# Altium PCB top_LM358.PcbDoc (part 3 of 6) (continued)
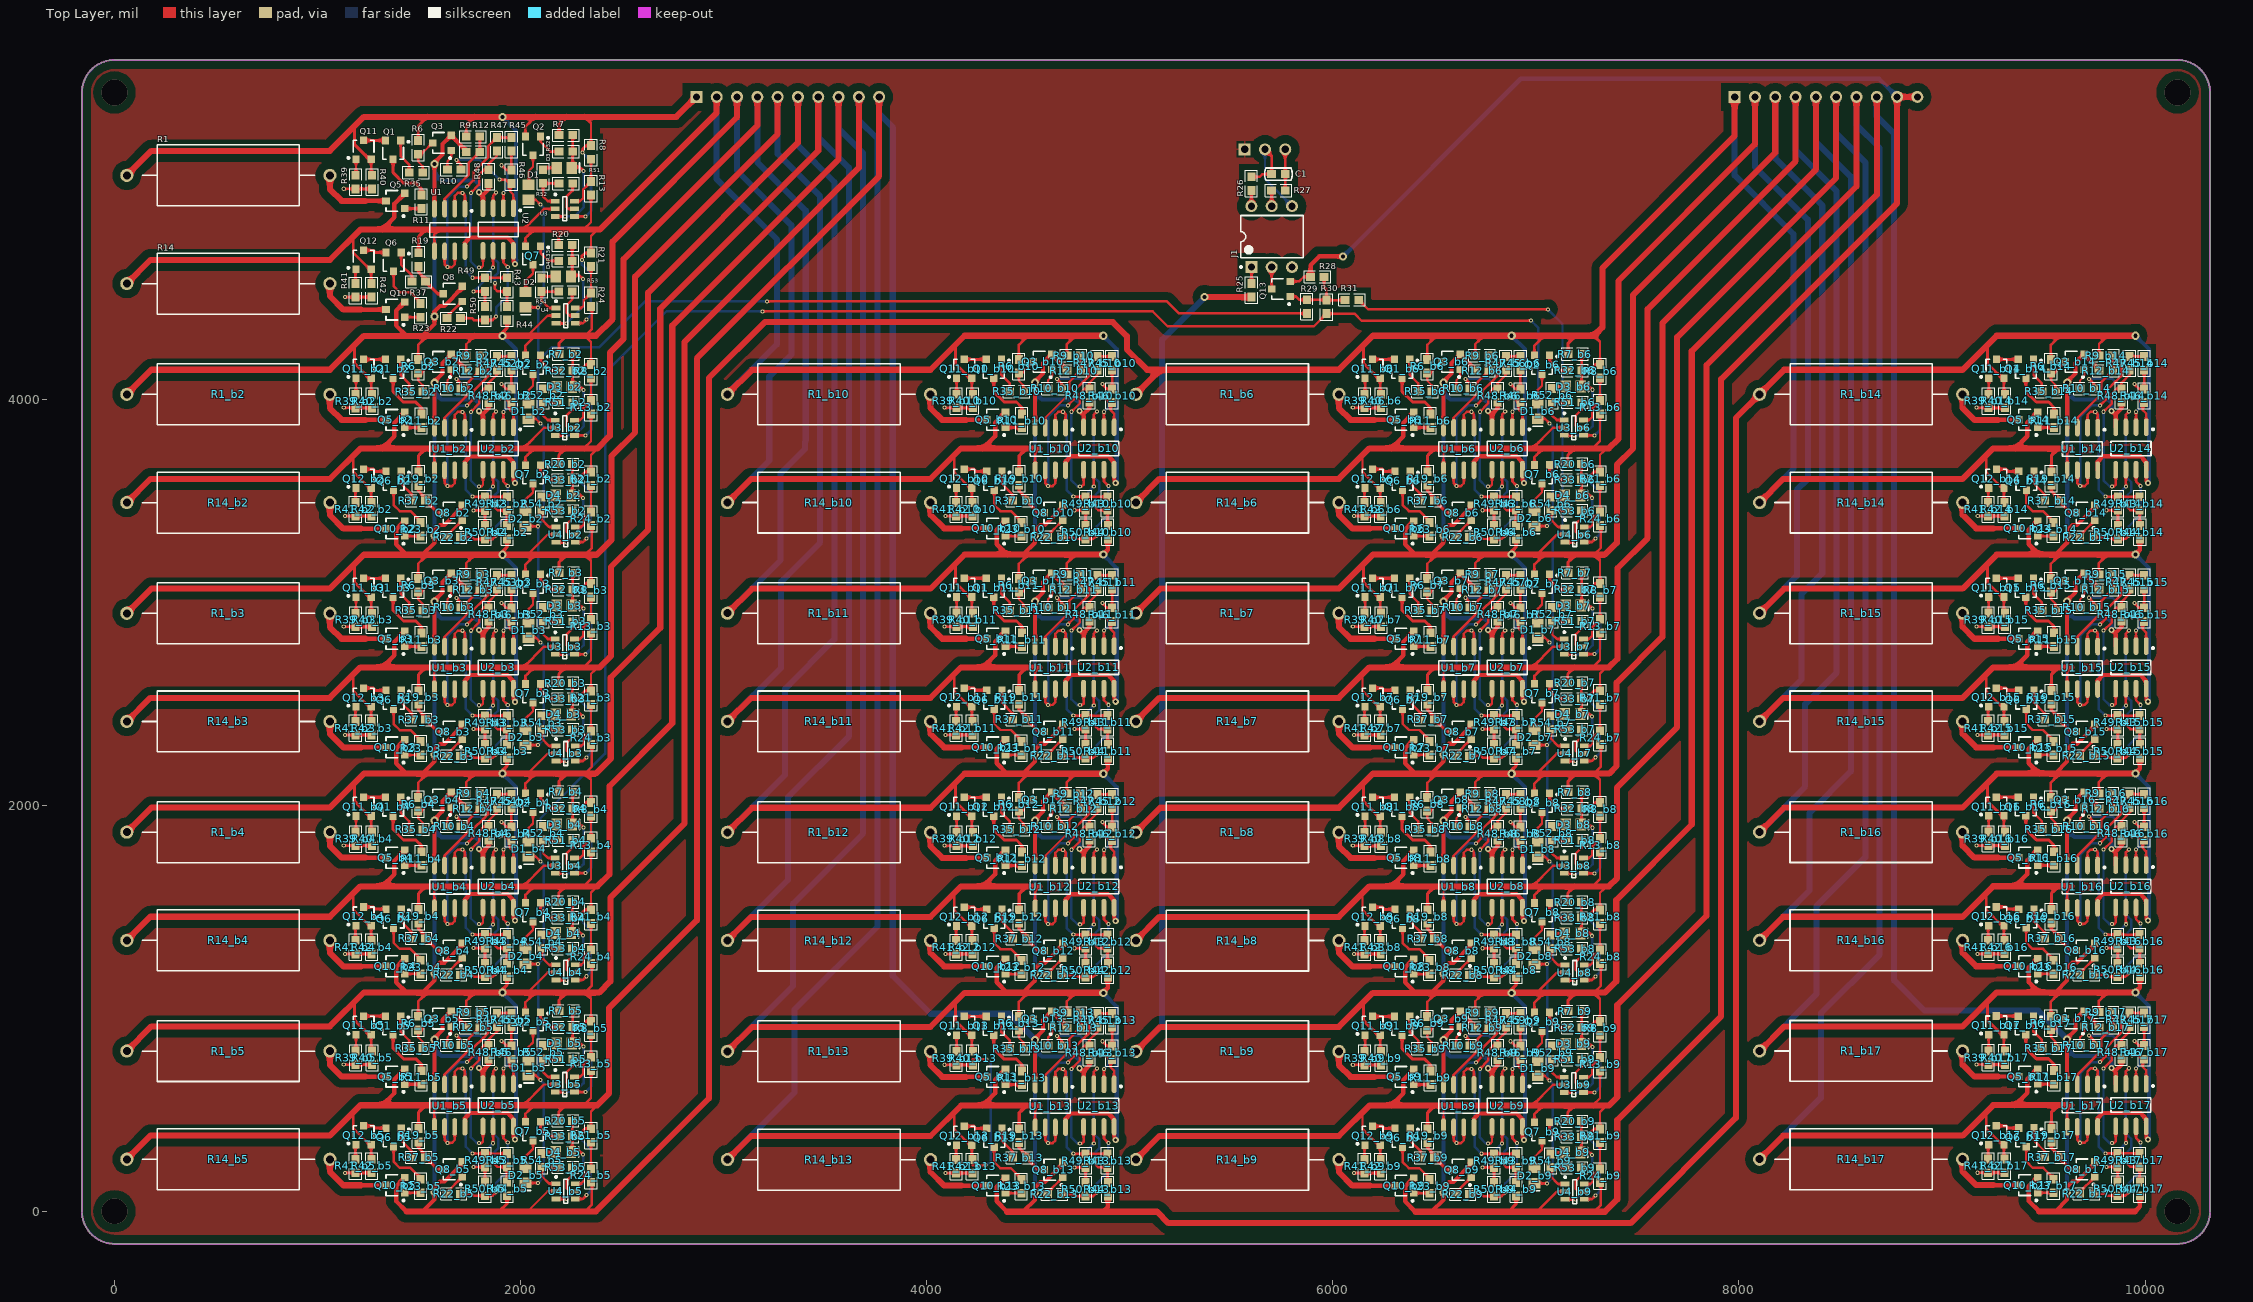
[diagram p0: Top Layer view]
## Nets (pads, with @x,y where several pads share a name; then routed paths per layer and width w, separated by ;. In a path a pad name is that pad's centre, name@x,y a point inside that pad or via, vN(x,y) a via of type N, cw(c..) or ccw(c..) an arc to the next point about the centre after c; other vN are vias at no path point) (continued)
  Bottom Layer w30: R14_b12.2@3018.82,1333.58 3316.82,1631.58 3316.82,2038.32 3616.4,2337.9 3616.4,5139.9 3465.82,5290.48 P1.7@3465.82,5488.32
IN_A4: P1.9 Q2_b5.2 Q3_b4.2 Q5_b13.2 Q8_b4.2 Q10_b4.2 Q11_b5.2 Q12_b13.2 R1_b5.2 R6_b5.2 R7_b5.2 R8_b5.2 R9_b5.2 R12_b4.1 R14_b13.2 R19_b13.2 R24_b4.1 R40_b5.1 R42_b13.1 R44_b4.2 R48_b4.2 U1_b4.4 U1_b5.8 U1_b13.5 U2_b4.4 U2_b5.8 U3_b5.4 U4_b4.2 | length 21433.1
  Top Layer w12: Q11_b5.2@1264.23,869 1264.23,794.32 R40_b5.1@1268.82,789.72 ; R6_b5.2@1495.69,960.46 1495.69,1032.79 1540.37,1077.46 1540.44,1077.54 ; R9_b5.2@1732.36,980.26 1732.36,1036.07 1773.75,1077.46 1773.82,1077.54 ; Q2_b5.2@2023.6,980.94 2023.6,1029.31 2071.75,1077.46 2071.82,1077.54 ; 2035.54,1078.21 2134,1176.68 U4_b4.2@2174.76,1176.68 ; U3_b5.4@2265.24,587.28 v1(2320.4,587.28) ; v1(2305,901.68) 2305,918.68 2322.32,936 R8_b5.2@2346.69,936 2346.69,1047.92 2317.15,1077.46 2317.08,1077.54 ; 2317.41,1077.87 2351,1111.46 2351,1216.76 R24_b4.1@2346.69,1221.07 ; 4134.82,485.36 4134.82,405.58 4214.08,326.32 Q12_b13.2@4222.23,326.32 4222.23,257.64 R42_b13.1@4224.82,255.05 ; U1_b13.5@4533.82,414.09 4533.82,498.86 4555.82,520.86
  Top Layer w15: 1182.82,1026.79 1182.82,940.82 Q11_b5.2@1254.64,869 ; v2@1898,1077.46 1898,1077.54 1898,1080.68 1933.82,1116.5 R44_b4.2@1933.82,1154.8 ; U2_b5.8@1964.82,418.05 1964.82,361.26 v3(1972.82,353.26) ; R7_b5.2@2189.54,987.68 2189.54,1041.07 2225.93,1077.46 2226,1077.54 ; R19_b13.2@4455.69,406.32 4455.69,485.86 4490.69,520.86 4494.69,520.86
  Top Layer w20: Q11_b5.2@1254.64,869 Q11_b5.2@1264.23,869 ; 1519.69,1080.07 1575.82,1136.2 v2(1575.82,1172.26) 1575.82,1197.26 1602.82,1224.26 1624.27,1224.26 1712.08,1312.08 Q8_b4.2@1712.08,1321.66 ; U1_b4.4@1575.82,1702.75 v2(1575.82,1924.26) 1575.82,1930.26 1615.82,1970.26 1615.82,2021.4 Q3_b4.2@1659.08,2064.66 1659.08,2061.91 1732.36,1988.64 R12_b4.1@1732.36,1983.26 ; U1_b5.8@1725.82,415.77 1725.82,458.26 1751.82,484.26 1935.82,484.26 1964.82,455.26 U2_b5.8@1964.82,418.05 ; v3(1794.82,1784.26) 1808.82,1770.26 1814.82,1770.26 ; U2_b4.4@1814.82,1705.02 1814.82,1770.26 ; R48_b4.2@1842.82,1827.8 1842.82,1798.26 1814.82,1770.26
  Top Layer w22: Q10_b4.2@1429.95,1243.94 1386.69,1200.68 1386.69,1128.54 1437.01,1078.21 ; 4276.69,520.86 4336.69,580.86 4336.69,648 Q5_b13.2@4387.95,699.26
  Top Layer w30: R1_b5.2@60.82,789.26 181.85,910.28 1060.82,910.28 1228.08,1077.54 1540.44,1077.54 1773.82,1077.54 1898,1077.54 v2(1911.69,1077.54) 2071.82,1077.54 2226,1077.54 2317.08,1077.54 ; 1437.76,1077.46 1540.37,1077.46 1773.75,1077.46 1898,1077.46 2071.75,1077.46 2225.93,1077.46 2317.15,1077.46 2386.5,1077.46 2441.82,1132.79 2441.82,1544.32 2808,1910.5 2808,4281.55 3665.82,5139.37 P1.9@3665.82,5488.32 ; R14_b13.2@3018.82,254.58 3135.1,370.86 4018.82,370.86 4168.82,520.86 4276.69,520.86 4490.69,520.86 ; 4494.69,520.86 4555.82,520.86
  Bottom Layer w15: 1977.82,915.86 1977.82,917.68 ; v1(2305,901.68) 2347,859.68 2347,613.88 v1(2320.4,587.28)
  Bottom Layer w20: v2(1575.82,1172.26) 1575.82,1877.26 ; v2(1575.82,1924.26) 1575.82,1877.26 ; v3(1794.82,1784.26) 1794.82,1823.26 1775.82,1842.26 1610.82,1842.26 1575.82,1877.26 ; v2(1911.69,1077.54) 1977.82,1011.4 1977.82,917.68 ; v3(1972.82,353.26) 1977.82,358.26 1977.82,915.86
  Bottom Layer w30: R14_b13.2@3018.82,254.58 3349.82,585.58 3349.82,994.32 3757.82,1402.32 3757.82,5281.32 3665.82,5373.32 P1.9@3665.82,5488.32
IN_A5: P2.1 Q2_b6.2 Q3_b5.2 Q5_b14.2 Q8_b5.2 Q10_b5.2 Q11_b6.2 Q12_b14.2 R1_b6.2 R6_b6.2 R7_b6.2 R8_b6.2 R9_b6.2 R12_b5.1 R14_b14.2 R19_b14.2 R24_b5.1 R40_b6.1 R42_b14.1 R44_b5.2 R48_b5.2 U1_b5.4 U1_b6.8 U1_b14.5 U2_b5.4 U2_b6.8 U3_b6.4 U4_b5.2 | length 21356.7
  Top Layer w12: 2035.54,0.21 2134,98.68 U4_b5.2@2174.76,98.68 ; 2317.41,-0.13 2351,33.46 2351,138.76 R24_b5.1@2346.69,143.07 ; Q11_b6.2@6233.48,4103.32 6233.48,4028.64 R40_b6.1@6238.08,4024.05 ; R6_b6.2@6464.94,4194.79 6464.94,4267.11 6509.69,4311.86 ; R9_b6.2@6701.61,4214.58 6701.61,4270.39 6743.08,4311.86 ; Q2_b6.2@6992.85,4215.26 6992.85,4263.63 7041.08,4311.86 ; U3_b6.4@7234.5,3821.6 v1(7289.65,3821.6) ; v1(7274.25,4136) 7274.25,4153 7291.57,4170.32 R8_b6.2@7315.94,4170.32 7315.94,4282.24 7286.33,4311.86 ; 9217.82,3721.36 9217.82,3641.58 9297.08,3562.32 Q12_b14.2@9305.23,3562.32 9305.23,3493.64 R42_b14.1@9307.82,3491.05 ; U1_b14.5@9616.82,3650.09 9616.82,3734.86 9638.82,3756.86
  Top Layer w15: 1898,-0.54 1898,2.68 1933.82,38.5 R44_b5.2@1933.82,76.8 ; 6152.08,4261.11 6152.08,4175.14 Q11_b6.2@6223.89,4103.32 ; U2_b6.8@6934.08,3652.37 6934.08,3595.58 v3(6942.08,3587.58) ; R7_b6.2@7158.79,4222 7158.79,4275.39 7195.25,4311.86 ; R19_b14.2@9538.69,3642.32 9538.69,3721.86 9573.69,3756.86 9577.69,3756.86
  Top Layer w20: 1519.69,2.07 1575.82,58.2 v2(1575.82,94.26) 1575.82,119.26 1602.82,146.26 1624.27,146.26 1712.08,234.08 Q8_b5.2@1712.08,243.66 ; U1_b5.4@1575.82,624.75 v2(1575.82,846.26) 1575.82,852.26 1615.82,892.26 1615.82,943.4 Q3_b5.2@1659.08,986.66 1659.08,983.91 1732.36,910.64 R12_b5.1@1732.36,905.26 ; v3(1794.82,706.26) 1808.82,692.26 1814.82,692.26 ; U2_b5.4@1814.82,627.02 1814.82,692.26 ; R48_b5.2@1842.82,749.8 1842.82,720.26 1814.82,692.26 ; Q11_b6.2@6223.89,4103.32 Q11_b6.2@6233.48,4103.32 ; U1_b6.8@6695.08,3650.09 6695.08,3692.58 6721.08,3718.58 6905.08,3718.58 6934.08,3689.58 U2_b6.8@6934.08,3652.37
  Top Layer w22: Q10_b5.2@1429.95,165.94 1386.69,122.68 1386.69,50.54 1437.01,0.21 ; 9359.69,3756.86 9419.69,3816.86 9419.69,3884 Q5_b14.2@9470.95,3935.26
  Top Layer w30: 1437.76,-0.54 1898,-0.54 2370.82,-0.54 2928,556.64 2928,4104 3203,4379 4916.7,4379 4985.85,4309.85 4985.85,4244.15 5085.4,4144.61 5151.1,4144.61 ; R1_b6.2@5030.08,4023.58 5151.1,4144.61 ; P2.1@7979,5488 7979,5296 7328,4645 7328,4353.53 7286.33,4311.86 7195.25,4311.86 7041.08,4311.86 v2(6880.94,4311.86) 6743.08,4311.86 6509.69,4311.86 6197.33,4311.86 6030.08,4144.61 5151.1,4144.61 ; R14_b14.2@8101.82,3490.58 8218.1,3606.86 9101.82,3606.86 9251.82,3756.86 9359.69,3756.86 9573.69,3756.86 ; 9577.69,3756.86 9638.82,3756.86
  Bottom Layer w15: 6947.08,4150.18 6947.08,4152 ; v1(7274.25,4136) 7316.25,4094 7316.25,3848.2 v1(7289.65,3821.6)
  Bottom Layer w20: v2(1575.82,94.26) 1575.82,799.26 ; v2(1575.82,846.26) 1575.82,799.26 ; v3(1794.82,706.26) 1794.82,745.26 1775.82,764.26 1610.82,764.26 1575.82,799.26 ; v2(6880.94,4311.86) 6947.08,4245.72 6947.08,4152 ; v3(6942.08,3587.58) 6947.08,3592.58 6947.08,4150.18
  Bottom Layer w30: P2.1@7978.82,5488.32 7978.82,5102.37 8268.85,4812.35 8268.85,3657.61 R14_b14.2@8101.82,3490.58
IN_A6: P2.3 Q2_b7.2 Q3_b6.2 Q5_b15.2 Q8_b6.2 Q10_b6.2 Q11_b7.2 Q12_b15.2 R1_b7.2 R6_b7.2 R7_b7.2 R8_b7.2 R9_b7.2 R12_b6.1 R14_b15.2 R19_b15.2 R24_b6.1 R40_b7.1 R42_b15.1 R44_b6.2 R48_b6.2 U1_b6.4 U1_b7.8 U1_b15.5 U2_b6.4 U2_b7.8 U3_b7.4 U4_b6.2 | length 16800.1
  Top Layer w12: Q11_b7.2@6233.48,3025.32 6233.48,2950.64 R40_b7.1@6238.08,2946.05 ; R6_b7.2@6464.94,3116.79 6464.94,3189.11 6509.62,3233.79 6509.69,3233.86 ; R9_b7.2@6701.61,3136.58 6701.61,3192.39 6743,3233.79 6743.08,3233.86 ; Q2_b7.2@6992.85,3137.26 6992.85,3185.63 7041,3233.79 7041.08,3233.86 ; 7004.79,3234.54 7103.25,3333 U4_b6.2@7144.01,3333 ; U3_b7.4@7234.5,2743.6 v1(7289.65,2743.6) ; v1(7274.25,3058) 7274.25,3075 7291.57,3092.32 R8_b7.2@7315.94,3092.32 7315.94,3204.24 7286.4,3233.79 7286.33,3233.86 ; 7286.67,3234.2 7320.25,3267.78 7320.25,3373.08 R24_b6.1@7315.94,3377.39 ; 9217.57,2643.36 9217.57,2563.58 9296.83,2484.32 Q12_b15.2@9304.97,2484.32 9304.97,2415.64 R42_b15.1@9307.57,2413.05 ; U1_b15.5@9616.57,2572.09 9616.57,2656.86 9638.57,2678.86
  Top Layer w15: 6152.08,3183.11 6152.08,3097.14 Q11_b7.2@6223.89,3025.32 ; v2@6867.25,3233.79 6867.25,3233.86 6867.25,3237 6903.08,3272.82 R44_b6.2@6903.08,3311.12 ; U2_b7.8@6934.08,2574.37 6934.08,2517.58 v3(6942.08,2509.58) ; R7_b7.2@7158.79,3144 7158.79,3197.39 7195.18,3233.79 7195.25,3233.86 ; R19_b15.2@9538.44,2564.32 9538.44,2643.86 9573.44,2678.86 9577.44,2678.86
  Top Layer w20: Q11_b7.2@6223.89,3025.32 Q11_b7.2@6233.48,3025.32 ; 6488.94,3236.39 6545.08,3292.53 v2(6545.08,3328.58) 6545.08,3353.58 6572.08,3380.58 6593.52,3380.58 6681.34,3468.4 Q8_b6.2@6681.34,3477.98 ; U1_b6.4@6545.08,3859.07 v2(6545.08,4080.58) 6545.08,4086.58 6585.08,4126.58 6585.08,4177.72 Q3_b6.2@6628.34,4220.98 6628.34,4218.23 6701.61,4144.96 R12_b6.1@6701.61,4139.58 ; U1_b7.8@6695.08,2572.09 6695.08,2614.58 6721.08,2640.58 6905.08,2640.58 6934.08,2611.58 U2_b7.8@6934.08,2574.37 ; v3(6764.08,3940.58) 6778.08,3926.58 6784.08,3926.58 ; U2_b6.4@6784.08,3861.34 6784.08,3926.58 ; R48_b6.2@6812.08,3984.12 6812.08,3954.58 6784.08,3926.58
  Top Layer w22: Q10_b6.2@6399.2,3400.26 6355.94,3357 6355.94,3284.86 6406.26,3234.54 ; 9359.44,2678.86 9419.44,2738.86 9419.44,2806 Q5_b15.2@9470.7,2857.26
  Top Layer w30: R1_b7.2@5030.08,2945.58 5151.1,3066.61 6030.08,3066.61 6197.33,3233.86 6509.69,3233.86 6743.08,3233.86 6867.25,3233.86 v2(6880.94,3233.86) 7041.08,3233.86 7195.25,3233.86 7286.33,3233.86 ; 6407.01,3233.79 6509.62,3233.79 6743,3233.79 6867.25,3233.79 7041,3233.79 7195.18,3233.79 7286.4,3233.79 7340.08,3233.79 7399,3292.71 7399,3676.62 7478.38,3756 7478.38,4512.16 ; 7478,4512.16 8179,5213.16 P2.3@8179,5488 ; R14_b15.2@8101.57,2412.58 8217.85,2528.86 9101.57,2528.86 9251.57,2678.86 9359.44,2678.86 9573.44,2678.86 ; 9577.44,2678.86 9638.57,2678.86
  Bottom Layer w15: 6947.08,3072.18 6947.08,3074 ; v1(7274.25,3058) 7316.25,3016 7316.25,2770.2 v1(7289.65,2743.6)
  Bottom Layer w20: v2(6545.08,3328.58) 6545.08,4033.58 ; v2(6545.08,4080.58) 6545.08,4033.58 ; v3(6764.08,3940.58) 6764.08,3979.58 6745.08,3998.58 6580.08,3998.58 6545.08,4033.58 ; v2(6880.94,3233.86) 6947.08,3167.72 6947.08,3074 ; v3(6942.08,2509.58) 6947.08,2514.58 6947.08,3072.18
  Bottom Layer w30: R14_b15.2@8101.57,2412.58 8308.82,2619.83 8308.82,3040.87 8410.27,3142.32 8410.27,4953.77 8178.82,5185.21 P2.3@8178.82,5488.32
IN_A7: P2.5 Q2_b8.2 Q3_b7.2 Q5_b16.2 Q8_b7.2 Q10_b7.2 Q11_b8.2 Q12_b16.2 R1_b8.2 R6_b8.2 R7_b8.2 R8_b8.2 R9_b8.2 R12_b7.1 R14_b16.2 R19_b16.2 R24_b7.1 R40_b8.1 R42_b16.1 R44_b7.2 R48_b7.2 U1_b7.4 U1_b8.8 U1_b16.5 U2_b7.4 U2_b8.8 U3_b8.4 U4_b7.2 | length 19085.2
  Top Layer w12: Q11_b8.2@6233.48,1946.32 6233.48,1871.64 R40_b8.1@6238.08,1867.05 ; R6_b8.2@6464.94,2037.79 6464.94,2110.11 6509.69,2154.86 ; R9_b8.2@6701.61,2057.58 6701.61,2113.39 6743.08,2154.86 ; Q2_b8.2@6992.85,2058.26 6992.85,2106.63 7041.08,2154.86 ; 7004.79,2156.54 7103.25,2255 U4_b7.2@7144.01,2255 ; U3_b8.4@7234.5,1664.6 v1(7289.65,1664.6) ; v1(7274.25,1979) 7274.25,1996 7291.57,2013.32 R8_b8.2@7315.94,2013.32 7315.94,2125.24 7286.33,2154.86 ; 7286.67,2156.2 7320.25,2189.78 7320.25,2295.08 R24_b7.1@7315.94,2299.39 ; 9217.57,1565.36 9217.57,1485.58 9296.83,1406.32 Q12_b16.2@9304.97,1406.32 9304.97,1337.64 R42_b16.1@9307.57,1335.05 ; U1_b16.5@9616.57,1494.09 9616.57,1578.86 9638.57,1600.86
  Top Layer w15: 6152.08,2104.11 6152.08,2018.14 Q11_b8.2@6223.89,1946.32 ; v2@6867.25,2155.79 6867.25,2159 6903.08,2194.82 R44_b7.2@6903.08,2233.12 ; U2_b8.8@6934.08,1495.37 6934.08,1438.58 v3(6942.08,1430.58) ; R7_b8.2@7158.79,2065 7158.79,2118.39 7195.25,2154.86 ; R19_b16.2@9538.44,1486.32 9538.44,1565.86 9573.44,1600.86 9577.44,1600.86
  Top Layer w20: Q11_b8.2@6223.89,1946.32 Q11_b8.2@6233.48,1946.32 ; 6488.94,2158.39 6545.08,2214.53 v2(6545.08,2250.58) 6545.08,2275.58 6572.08,2302.58 6593.52,2302.58 6681.34,2390.4 Q8_b7.2@6681.34,2399.98 ; U1_b7.4@6545.08,2781.07 v2(6545.08,3002.58) 6545.08,3008.58 6585.08,3048.58 6585.08,3099.72 Q3_b7.2@6628.34,3142.98 6628.34,3140.23 6701.61,3066.96 R12_b7.1@6701.61,3061.58 ; U1_b8.8@6695.08,1493.09 6695.08,1535.58 6721.08,1561.58 6905.08,1561.58 6934.08,1532.58 U2_b8.8@6934.08,1495.37 ; v3(6764.08,2862.58) 6778.08,2848.58 6784.08,2848.58 ; U2_b7.4@6784.08,2783.34 6784.08,2848.58 ; R48_b7.2@6812.08,2906.12 6812.08,2876.58 6784.08,2848.58
  Top Layer w22: Q10_b7.2@6399.2,2322.26 6355.94,2279 6355.94,2206.86 6406.26,2156.54 ; 9359.44,1600.86 9419.44,1660.86 9419.44,1728 Q5_b16.2@9470.7,1779.26
  Top Layer w30: R1_b8.2@5030.08,1866.58 5151.1,1987.61 6030.08,1987.61 6197.33,2154.86 6509.69,2154.86 6743.08,2154.86 v2(6880.94,2154.86) 7041.08,2154.86 7195.25,2154.86 7286.33,2154.86 ; 6407.01,2155.79 6867.25,2155.79 7360.79,2155.79 7398,2193 7398,2604 7623.12,2829.12 7623.12,4374.44 8379,5130.31 P2.5@8379,5488 ; R14_b16.2@8101.57,1334.58 8217.85,1450.86 9101.57,1450.86 9251.57,1600.86 9359.44,1600.86 9573.44,1600.86 ; 9577.44,1600.86 9638.57,1600.86
  Bottom Layer w15: 6947.08,1993.18 6947.08,1995 ; v1(7274.25,1979) 7316.25,1937 7316.25,1691.2 v1(7289.65,1664.6)
  Bottom Layer w20: v2(6545.08,2250.58) 6545.08,2955.58 ; v2(6545.08,3002.58) 6545.08,2955.58 ; v3(6764.08,2862.58) 6764.08,2901.58 6745.08,2920.58 6580.08,2920.58 6545.08,2955.58 ; v2(6880.94,2154.86) 6947.08,2088.72 6947.08,1995 ; v3(6942.08,1430.58) 6947.08,1435.58 6947.08,1993.18
  Bottom Layer w30: R14_b16.2@8101.57,1334.58 8347.82,1580.83 8347.82,1962.45 8551.69,2166.32 8551.69,5095.19 8378.82,5268.06 P2.5@8378.82,5488.32
IN_A8: P2.7 Q2_b9.2 Q3_b8.2 Q5_b17.2 Q8_b8.2 Q10_b8.2 Q11_b9.2 Q12_b17.2 R1_b9.2 R6_b9.2 R7_b9.2 R8_b9.2 R9_b9.2 R12_b8.1 R14_b17.2 R19_b17.2 R24_b8.1 R25.1 R40_b9.1 R42_b17.1 R44_b8.2 R48_b8.2 U1_b8.4 U1_b9.8 U1_b17.5 U2_b8.4 U2_b9.8 U3_b9.4 U4_b8.2 | length 25433.2
  Top Layer w12: Q11_b9.2@6233.48,867.32 6233.48,792.64 R40_b9.1@6238.08,788.05 ; R6_b9.2@6464.94,958.79 6464.94,1031.11 6509.69,1075.86 ; R9_b9.2@6701.61,978.58 6701.61,1034.39 6743.08,1075.86 ; Q2_b9.2@6992.85,979.26 6992.85,1027.63 7041.08,1075.86 ; 7004.79,1077.54 7103.25,1176 U4_b8.2@7144.01,1176 ; U3_b9.4@7234.5,585.6 v1(7289.65,585.6) ; v1(7274.25,900) 7274.25,917 7291.57,934.32 R8_b9.2@7315.94,934.32 7315.94,1046.24 7286.33,1075.86 ; 7286.67,1077.2 7320.25,1110.78 7320.25,1216.08 R24_b8.1@7315.94,1220.39 ; 9217.57,487.36 9217.57,407.58 9296.83,328.32 Q12_b17.2@9304.97,328.32 9304.97,259.64 R42_b17.1@9307.57,257.05 ; U1_b17.5@9616.57,416.09 9616.57,500.86 9638.57,522.86
  Top Layer w15: 6152.08,1025.11 6152.08,939.14 Q11_b9.2@6223.89,867.32 ; v2@6867.25,1076.79 6867.25,1080 6903.08,1115.82 R44_b8.2@6903.08,1154.12 ; U2_b9.8@6934.08,416.37 6934.08,359.58 v3(6942.08,351.58) ; R7_b9.2@7158.79,986 7158.79,1039.39 7195.25,1075.86 ; R19_b17.2@9538.44,408.32 9538.44,487.86 9573.44,522.86 9577.44,522.86
  Top Layer w20: Q11_b9.2@6223.89,867.32 Q11_b9.2@6233.48,867.32 ; 6488.94,1079.39 6545.08,1135.53 v2(6545.08,1171.58) 6545.08,1196.58 6572.08,1223.58 6593.52,1223.58 6681.34,1311.4 Q8_b8.2@6681.34,1320.98 ; U1_b8.4@6545.08,1702.07 v2(6545.08,1923.58) 6545.08,1929.58 6585.08,1969.58 6585.08,2020.72 Q3_b8.2@6628.34,2063.98 6628.34,2061.23 6701.61,1987.96 R12_b8.1@6701.61,1982.58 ; U1_b9.8@6695.08,414.09 6695.08,456.58 6721.08,482.58 6905.08,482.58 6934.08,453.58 U2_b9.8@6934.08,416.37 ; v3(6764.08,1783.58) 6778.08,1769.58 6784.08,1769.58 ; U2_b8.4@6784.08,1704.34 6784.08,1769.58 ; R48_b8.2@6812.08,1827.12 6812.08,1797.58 6784.08,1769.58
  Top Layer w22: Q10_b8.2@6399.2,1243.26 6355.94,1200 6355.94,1127.86 6406.26,1077.54 ; 9359.44,522.86 9419.44,582.86 9419.44,650 Q5_b17.2@9470.7,701.26
  Top Layer w30: R1_b9.2@5030.08,787.58 5151.1,908.61 6030.08,908.61 6197.33,1075.86 6509.69,1075.86 6743.08,1075.86 v2(6880.94,1075.86) 7041.08,1075.86 7195.25,1075.86 7286.33,1075.86 ; v2(5369,4502) 5598.97,4502 R25.1@5599.82,4502.86 ; 6407.01,1076.79 6867.25,1076.79 7340.08,1076.79 7396,1132.71 7396,1533 7767.88,1904.88 7767.88,4236.35 8579,5047.47 P2.7@8579,5488 ; R14_b17.2@8101.57,256.58 8217.85,372.86 9101.57,372.86 9251.57,522.86 9359.44,522.86 9573.44,522.86 ; 9577.44,522.86 9638.57,522.86
  Bottom Layer w15: 6947.08,914.18 6947.08,916 ; v1(7274.25,900) 7316.25,858 7316.25,612.2 v1(7289.65,585.6)
  Bottom Layer w20: v2(6545.08,1171.58) 6545.08,1876.58 ; v2(6545.08,1923.58) 6545.08,1876.58 ; v3(6764.08,1783.58) 6764.08,1822.58 6745.08,1841.58 6580.08,1841.58 6545.08,1876.58 ; v2(6880.94,1075.86) 6947.08,1009.72 6947.08,916 ; v3(6942.08,351.58) 6947.08,356.58 6947.08,914.18
  Bottom Layer w30: R1_b9.2@5030.08,787.58 5159,916.51 5159,4292 v2(5369,4502) ; R14_b17.2@8101.57,256.58 8403.82,558.83 8403.82,975.32 8693.11,1264.61 8693.11,5236.61 8578.82,5350.9 P2.7@8578.82,5488.32
IN_A9: P1.2 Q5.2 Q7.2 Q11_b10.2 Q12.2 R1_b10.2 R6_b10.2 R9_b10.2 R13.1 R14.2 R19.2 R20.2 R21.2 R40_b10.1 R42.1 U1.5 U1_b10.8 U2_b10.8 U3.2 U4.4 | length 10559.3
  Top Layer w12: 1176.82,4799.36 1176.82,4719.58 1256.08,4640.32 Q12.2@1264.23,4640.32 1264.23,4571.64 R42.1@1266.82,4569.05 ; U1.5@1575.82,4728.09 1575.82,4812.86 1597.82,4834.86 ; 2010,4834.86 2013.86,4834.86 2116,4937 U3.2@2170.76,4937 ; Q7.2@2023.6,4753.26 2023.6,4792.76 2065.69,4834.86 ; 2045,4834.86 2049.86,4834.86 ; R20.2@2187.54,4758 2187.54,4801.39 2221,4834.86 ; U4.4@2269.24,4373.6 2306.6,4373.6 v1(2325,4392) ; v1(2302,4685) 2302,4705 2316.32,4719.32 R21.2@2346.69,4719.32 2346.69,4803.86 2365.76,4822.92 ; 2313,4834.86 2313,4837 2346.69,4870.69 R13.1@2346.69,5004.39 ; Q11_b10.2@4222.23,4103.32 4222.23,4028.64 R40_b10.1@4226.82,4024.05 ; R6_b10.2@4453.69,4194.79 4453.69,4267.11 4498.44,4311.86 ; R9_b10.2@4690.36,4214.58 4690.36,4270.39 4731.82,4311.86
  Top Layer w15: R19.2@1497.69,4720.32 1497.69,4799.86 1532.69,4834.86 1536.69,4834.86 ; 4140.82,4261.11 4140.82,4175.14 Q11_b10.2@4212.64,4103.32 ; U2_b10.8@4922.82,3652.37 4922.82,3595.58 v3(4930.82,3587.58)
  Top Layer w20: Q11_b10.2@4212.64,4103.32 Q11_b10.2@4222.23,4103.32 ; U1_b10.8@4683.82,3650.09 4683.82,3692.58 4709.82,3718.58 4893.82,3718.58 4922.82,3689.58 U2_b10.8@4922.82,3652.37
  Top Layer w22: 1318.69,4834.86 1378.69,4894.86 1378.69,4962 Q5.2@1429.95,5013.26
  Top Layer w30: R14.2@60.82,4568.58 177.1,4684.86 1060.82,4684.86 1210.82,4834.86 1318.69,4834.86 1532.69,4834.86 ; 1536.69,4834.86 1597.82,4834.86 2010,4834.86 ; 2013.86,4834.86 2045,4834.86 ; 2049.86,4834.86 2065.69,4834.86 2221,4834.86 2313,4834.86 2390.36,4834.86 2965.82,5410.32 P1.2@2965.82,5488.32 ; R1_b10.2@3018.82,4023.58 3139.85,4144.61 4018.82,4144.61 4186.08,4311.86 4498.44,4311.86 4731.82,4311.86 v2(4869.69,4311.86)
  Bottom Layer w12: v1(2302,4685) 2302,4662 2345,4619 2345,4412 v1(2325,4392)
  Bottom Layer w20: v2(4869.69,4311.86) 4935.82,4245.72 4935.82,3592.58 v3(4930.82,3587.58)
  Bottom Layer w30: P1.2@2965.82,5488.32 2965.82,5083.37 3262.85,4786.35 3262.85,4269.61 R1_b10.2@3018.82,4025.58
IN_A10: P1.4 Q3_b10.2 Q5_b2.2 Q7_b2.2 Q8_b10.2 Q10_b10.2 Q11_b11.2 Q12_b2.2 R1_b11.2 R6_b11.2 R9_b11.2 R12_b10.1 R13_b2.1 R14_b2.2 R19_b2.2 R20_b2.2 R21_b2.2 R40_b11.1 R42_b2.1 R44_b10.2 R48_b10.2 U1_b2.5 U1_b10.4 U1_b11.8 U2_b10.4 U2_b11.8 U3_b2.2 U4_b2.4 | length 15622
  Top Layer w12: 1176.82,3721.04 1176.82,3641.26 1256.08,3562 Q12_b2.2@1264.23,3562 1264.23,3493.32 R42_b2.1@1266.82,3490.72 ; U1_b2.5@1575.82,3649.77 1575.82,3734.54 1597.82,3756.54 ; 2010,3756.54 2013.86,3756.54 2116,3858.68 U3_b2.2@2170.76,3858.68 ; Q7_b2.2@2023.6,3674.94 2023.6,3714.44 2065.69,3756.54 ; 2045,3756.54 2049.86,3756.54 ; R20_b2.2@2187.54,3679.68 2187.54,3723.07 2221,3756.54 ; U4_b2.4@2269.24,3295.28 2306.6,3295.28 v1(2325,3313.68) ; v1(2302,3606.68) 2302,3626.68 2316.32,3641 R21_b2.2@2346.69,3641 2346.69,3725.54 2365.76,3744.6 ; 2313,3756.54 2313,3758.68 2346.69,3792.37 R13_b2.1@2346.69,3926.07 ; Q11_b11.2@4222.23,3025.32 4222.23,2950.64 R40_b11.1@4226.82,2946.05 ; R6_b11.2@4453.69,3116.79 4453.69,3189.11 4498.37,3233.79 4498.44,3233.86 ; R9_b11.2@4690.36,3136.58 4690.36,3192.39 4731.75,3233.79 4731.82,3233.86
  Top Layer w15: R19_b2.2@1497.69,3642 1497.69,3721.54 1532.69,3756.54 1536.69,3756.54 ; 4140.82,3183.11 4140.82,3097.14 Q11_b11.2@4212.64,3025.32 ; U2_b11.8@4922.82,2574.37 4922.82,2517.58 v3(4930.82,2509.58)
  Top Layer w20: Q11_b11.2@4212.64,3025.32 Q11_b11.2@4222.23,3025.32 ; 4477.69,3236.39 4533.82,3292.53 v2(4533.82,3328.58) 4533.82,3353.58 4560.82,3380.58 4582.27,3380.58 4670.08,3468.4 Q8_b10.2@4670.08,3477.98 ; 4497.69,3232.86 4498.62,3233.79 ; U1_b10.4@4533.82,3859.07 v2(4533.82,4080.58) 4533.82,4086.58 4573.82,4126.58 4573.82,4177.72 Q3_b10.2@4617.08,4220.98 4617.08,4218.23 4690.36,4144.96 R12_b10.1@4690.36,4139.58 ; U1_b11.8@4683.82,2572.09 4683.82,2614.58 4709.82,2640.58 4893.82,2640.58 4922.82,2611.58 U2_b11.8@4922.82,2574.37 ; v3(4752.82,3940.58) 4766.82,3926.58 4772.82,3926.58 ; U2_b10.4@4772.82,3861.34 4772.82,3926.58 ; R48_b10.2@4800.82,3984.12 4800.82,3954.58 4772.82,3926.58 ; v2@4867.82,3233.79 4867.89,3233.86 4891.82,3257.79 R44_b10.2@4891.82,3311.12
  Top Layer w22: 1318.69,3756.54 1378.69,3816.54 1378.69,3883.68 Q5_b2.2@1429.95,3934.94 ; Q10_b10.2@4387.95,3400.26 4344.69,3357 4344.69,3284.86 4395.69,3233.86 4395.76,3233.79
  Top Layer w30: R14_b2.2@60.82,3490.26 177.1,3606.54 1060.82,3606.54 1210.82,3756.54 1318.69,3756.54 1532.69,3756.54 ; 1536.69,3756.54 1597.82,3756.54 2010,3756.54 ; 2013.86,3756.54 2045,3756.54 ; 2049.86,3756.54 2065.69,3756.54 2221,3756.54 2313,3756.54 2377.37,3756.54 2439.82,3818.99 2439.82,4228.32 2507.82,4296.32 2507.82,4688.48 3165.82,5346.48 P1.4@3165.82,5488.32 ; R1_b11.2@3018.82,2945.58 3139.85,3066.61 4018.82,3066.61 4186.08,3233.86 4395.69,3233.86 4498.44,3233.86 4731.82,3233.86 4867.89,3233.86 v2(4869.69,3233.86) ; 4395.76,3233.79 4498.37,3233.79 4498.62,3233.79 4731.75,3233.79 v2@4867.82,3233.79
  Bottom Layer w12: v1(2302,3606.68) 2302,3583.68 2345,3540.68 2345,3333.68 v1(2325,3313.68)
  Bottom Layer w20: v2(4533.82,3328.58) 4533.82,4033.58 ; v2(4533.82,4080.58) 4533.82,4033.58 ; v3(4752.82,3940.58) 4752.82,3979.58 4733.82,3998.58 4568.82,3998.58 4533.82,4033.58 ; v2(4869.69,3233.86) 4935.82,3167.72 4935.82,2514.58 v3(4930.82,2509.58)
  Bottom Layer w30: R1_b11.2@3018.82,2945.58 3280.82,3207.58 3280.82,3634.32 3400.27,3753.77 3400.27,3788.39 3402.27,3790.39 ; P1.4@3165.82,5488.32 3165.82,5166.21 3404.27,4927.77 3404.27,3795.39
IN_A11: P1.6 Q3_b11.2 Q5_b3.2 Q7_b3.2 Q8_b11.2 Q10_b11.2 Q11_b12.2 Q12_b3.2 R1_b12.2 R6_b12.2 R9_b12.2 R12_b11.1 R13_b3.1 R14_b3.2 R19_b3.2 R20_b3.2 R21_b3.2 R40_b12.1 R42_b3.1 R44_b11.2 R48_b11.2 U1_b3.5 U1_b11.4 U1_b12.8 U2_b11.4 U2_b12.8 U3_b3.2 U4_b3.4 | length 17908.8
  Top Layer w12: 1176.82,2643.04 1176.82,2563.26 1256.08,2484 Q12_b3.2@1264.23,2484 1264.23,2415.32 R42_b3.1@1266.82,2412.72 ; U1_b3.5@1575.82,2571.77 1575.82,2656.54 1597.82,2678.54 ; 2010,2678.54 2013.86,2678.54 2116,2780.68 U3_b3.2@2170.76,2780.68 ; Q7_b3.2@2023.6,2596.94 2023.6,2636.44 2065.69,2678.54 ; 2045,2678.54 2049.86,2678.54 ; R20_b3.2@2187.54,2601.68 2187.54,2645.07 2221,2678.54 ; U4_b3.4@2269.24,2217.28 2306.6,2217.28 v1(2325,2235.68) ; v1(2302,2528.68) 2302,2548.68 2316.32,2563 R21_b3.2@2346.69,2563 2346.69,2647.54 2365.76,2666.6 ; 2313,2678.54 2313,2680.68 2346.69,2714.37 R13_b3.1@2346.69,2848.07 ; Q11_b12.2@4222.23,1946.32 4222.23,1871.64 R40_b12.1@4226.82,1867.05 ; R6_b12.2@4453.69,2037.79 4453.69,2110.11 4498.44,2154.86 ; R9_b12.2@4690.36,2057.58 4690.36,2113.39 4731.82,2154.86
  Top Layer w15: R19_b3.2@1497.69,2564 1497.69,2643.54 1532.69,2678.54 1536.69,2678.54 ; 4140.82,2104.11 4140.82,2018.14 Q11_b12.2@4212.64,1946.32 ; U2_b12.8@4922.82,1495.37 4922.82,1438.58 v3(4930.82,1430.58)
  Top Layer w20: Q11_b12.2@4212.64,1946.32 Q11_b12.2@4222.23,1946.32 ; 4477.69,2158.39 4533.82,2214.53 v2(4533.82,2250.58) 4533.82,2275.58 4560.82,2302.58 4582.27,2302.58 4670.08,2390.4 Q8_b11.2@4670.08,2399.98 ; 4497.69,2154.86 4498.62,2155.79 ; U1_b11.4@4533.82,2781.07 v2(4533.82,3002.58) 4533.82,3008.58 4573.82,3048.58 4573.82,3099.72 Q3_b11.2@4617.08,3142.98 4617.08,3140.23 4690.36,3066.96 R12_b11.1@4690.36,3061.58 ; U1_b12.8@4683.82,1493.09 4683.82,1535.58 4709.82,1561.58 4893.82,1561.58 4922.82,1532.58 U2_b12.8@4922.82,1495.37 ; v3(4752.82,2862.58) 4766.82,2848.58 4772.82,2848.58 ; U2_b11.4@4772.82,2783.34 4772.82,2848.58 ; R48_b11.2@4800.82,2906.12 4800.82,2876.58 4772.82,2848.58 ; v2@4867.82,2155.79 4891.82,2179.79 R44_b11.2@4891.82,2233.12
  Top Layer w22: 1318.69,2678.54 1378.69,2738.54 1378.69,2805.68 Q5_b3.2@1429.95,2856.94 ; Q10_b11.2@4387.95,2322.26 4344.69,2279 4344.69,2206.86 4395.76,2155.79
  Top Layer w30: R14_b3.2@60.82,2412.26 177.1,2528.54 1060.82,2528.54 1210.82,2678.54 1318.69,2678.54 1532.69,2678.54 ; 1536.69,2678.54 1597.82,2678.54 2010,2678.54 ; 2013.86,2678.54 2045,2678.54 ; 2049.86,2678.54 2065.69,2678.54 2221,2678.54 2313,2678.54 2389.36,2678.54 2445,2734.18 2445,3173 2628,3356 2628,4524 3366,5262 P1.6@3366,5488 ; R1_b12.2@3018.82,1866.58 3139.85,1987.61 4018.82,1987.61 4186.08,2154.86 4497.69,2154.86 4498.44,2154.86 4731.82,2154.86 v2(4869.69,2154.86) ; 4395.76,2155.79 4498.62,2155.79 v2@4867.82,2155.79
  Bottom Layer w12: v1(2302,2528.68) 2302,2505.68 2345,2462.68 2345,2255.68 v1(2325,2235.68)
  Bottom Layer w20: v2(4533.82,2250.58) 4533.82,2955.58 ; v2(4533.82,3002.58) 4533.82,2955.58 ; v3(4752.82,2862.58) 4752.82,2901.58 4733.82,2920.58 4568.82,2920.58 4533.82,2955.58 ; v2(4869.69,2154.86) 4935.82,2088.72 4935.82,1435.58 v3(4930.82,1430.58)
  Bottom Layer w30: R1_b12.2@3018.82,1866.58 3302.32,2150.08 3302.32,2573.82 3545.69,2817.19 3545.69,5069.19 3365.82,5249.06 P1.6@3365.82,5488.32